# EAGLE board makey_makey_panel_v13 (EAGLE 6.5.0), part 4 of 4 (continued)
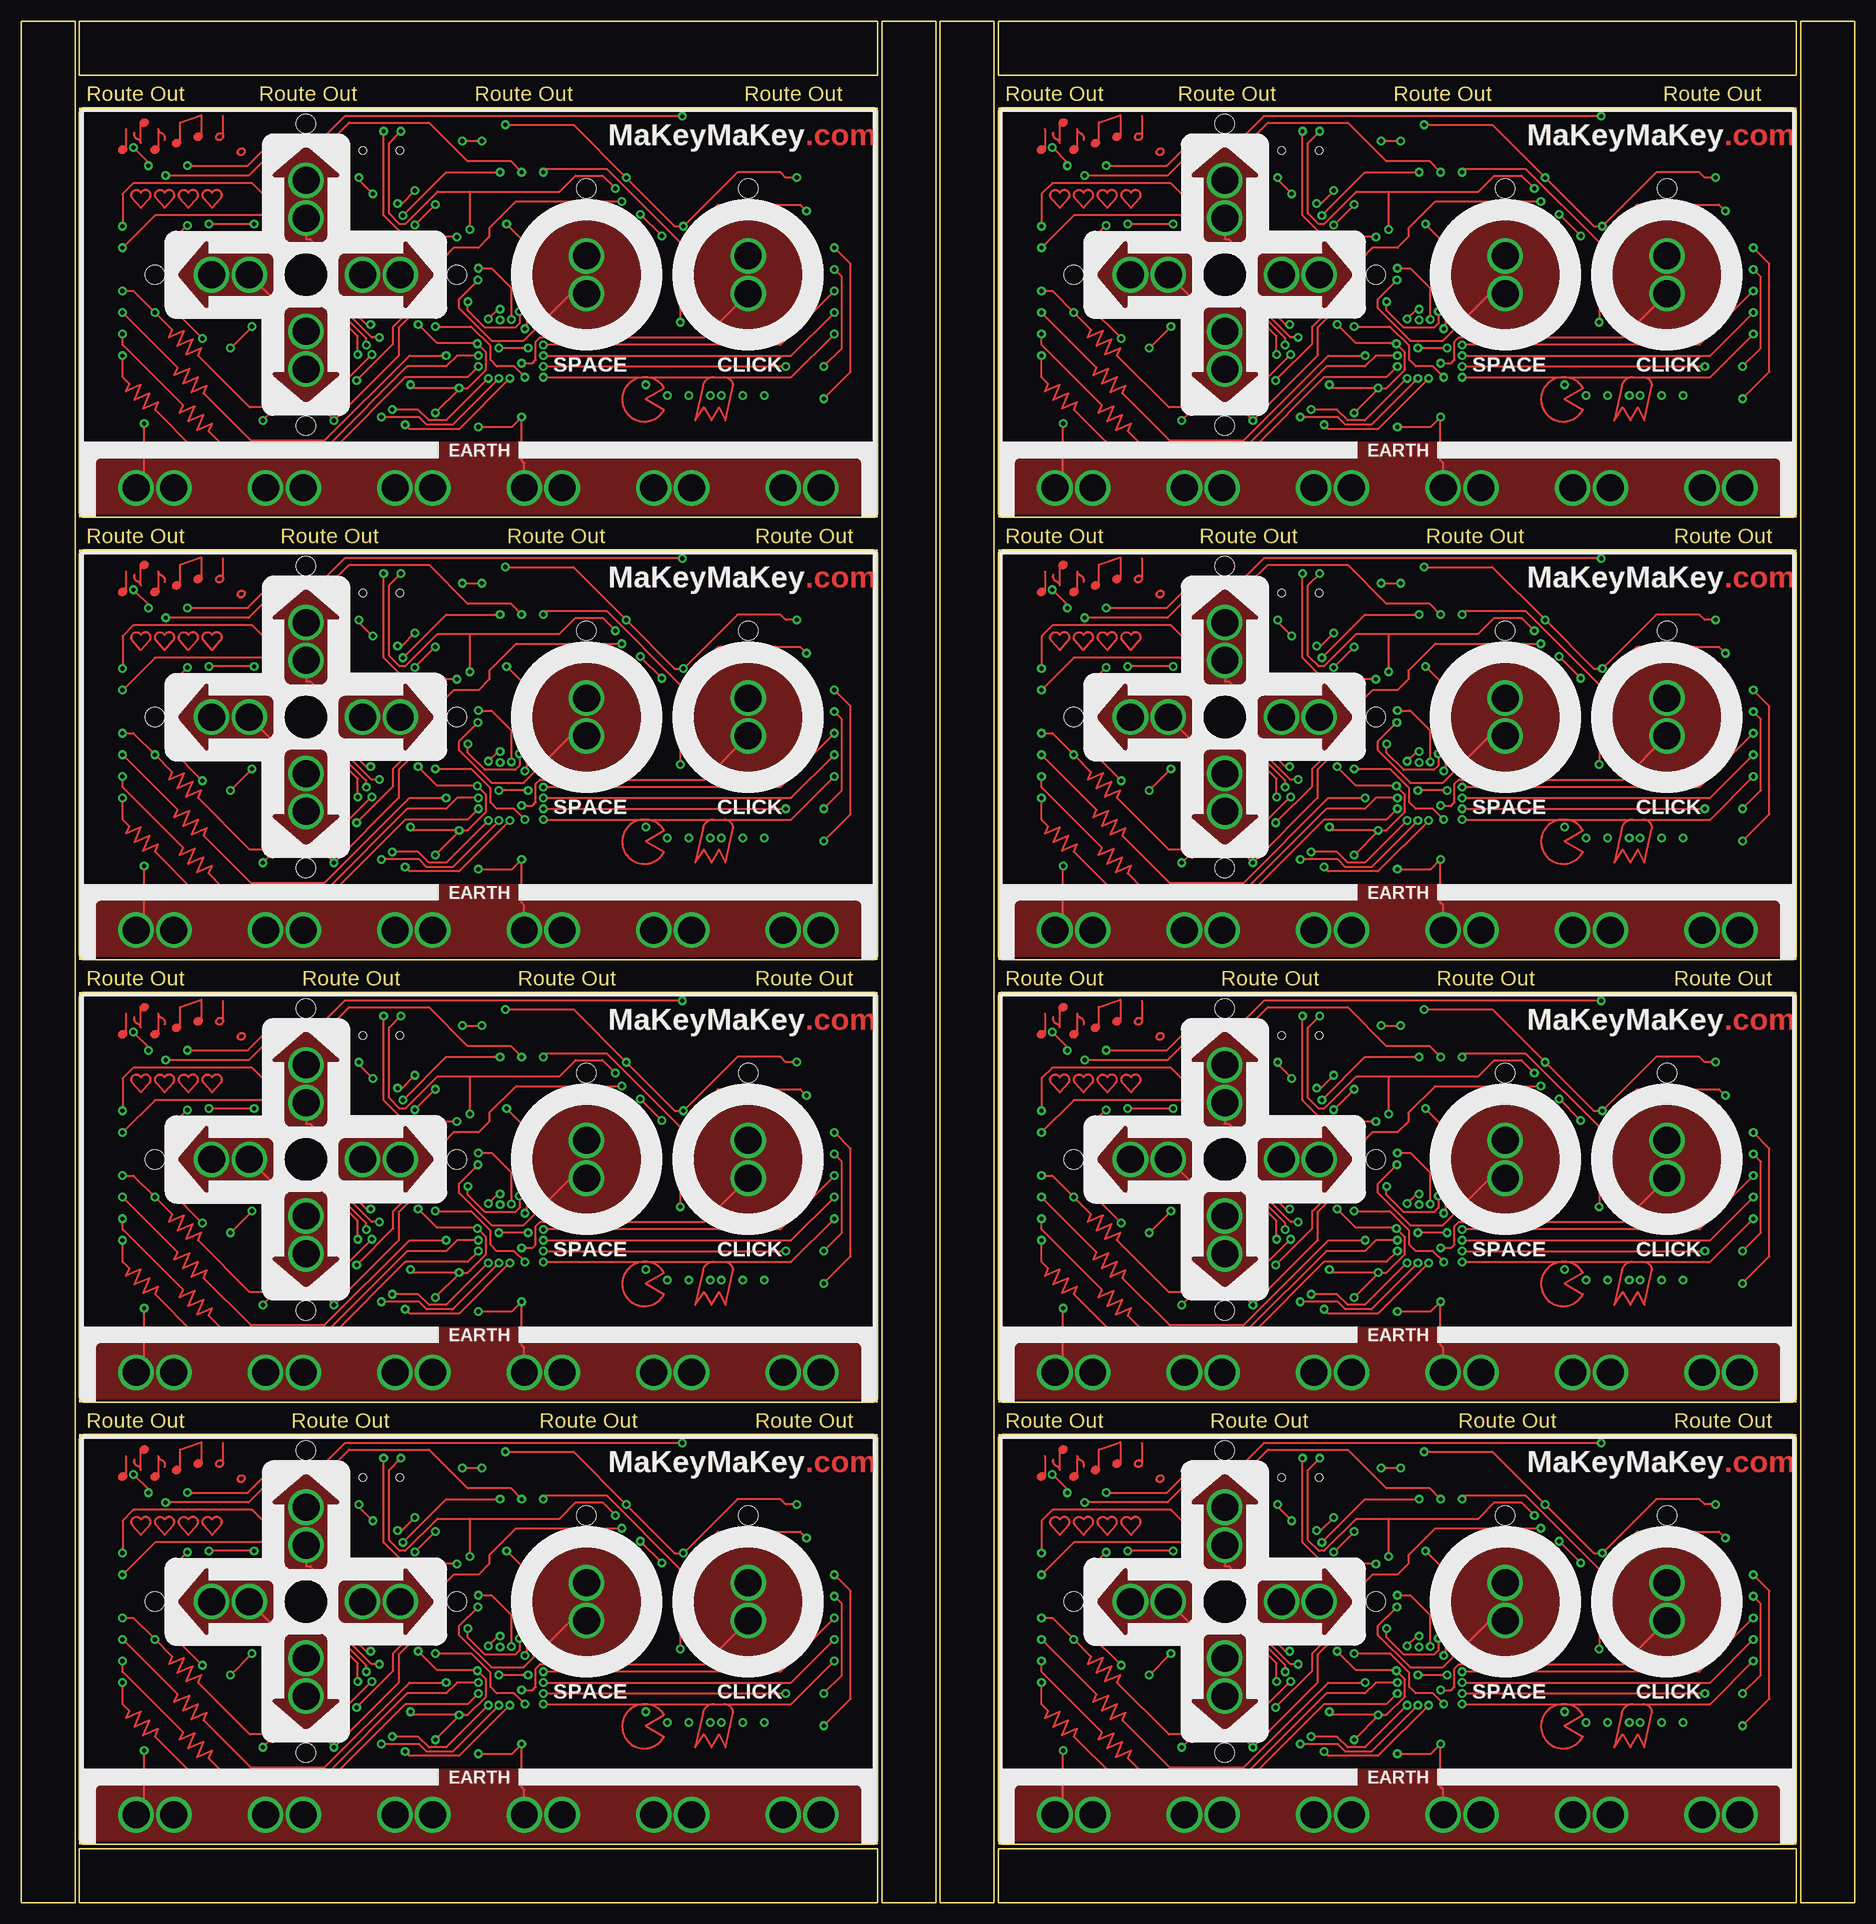
[diagram p0: board, top side]
## Tracks (layer width: path | path; a pad name or v marks a point on that pad's centre or on a via) (continued)
PULL-UP3  (via drill 0.51)
  Top 0.254: v77.85,210.31 38.1,210.31 35.58,207.79 29.99,207.79 26.68,204.49 v19.57,204.49 | v19.56,197.46 17.65,195.56 17.65,187.83 v21.34,184.15
  Bottom 0.254: R102.2 R101.2 R100.2 R99.2 R98.2 R109.2 88.56,197.78 89.41,198.63 89.41,202.44 84.33,207.52 | 84.33,207.52 81.53,210.31 v77.85,210.31 | SJ4.2 80.52,203.71 84.33,207.52 | R103.2 R104.2 19.77,184.02 | 19.77,184.02 R105.2 R106.2 | v21.34,184.15 19.9,184.15 19.77,184.02 | v19.57,204.49 19.77,204.28 R107.2 R108.2 19.77,197.68 v19.56,197.46
PULL-UP4  (via drill 0.51)
  Top 0.254: v186.06,54.1 146.3,54.1 143.78,51.58 138.19,51.58 134.89,48.27 v127.78,48.27 | v127.76,41.25 125.86,39.34 125.86,31.62 v129.54,27.94
  Bottom 0.254: R131.2 R130.2 R129.2 R128.2 R127.2 R138.2 196.76,41.57 197.61,42.42 197.61,46.23 192.53,51.31 | 192.53,51.31 189.74,54.1 v186.06,54.1 | SJ5.2 188.72,47.5 192.53,51.31 | R132.2 R133.2 127.98,27.81 | 127.98,27.81 R134.2 R135.2 | v129.54,27.94 128.1,27.94 127.98,27.81 | v127.78,48.27 127.98,48.08 R136.2 R137.2 127.98,41.47 v127.76,41.25
PULL-UP5  (via drill 0.51)
  Top 0.254: v186.06,106.17 146.3,106.17 143.78,103.65 138.19,103.65 134.89,100.34 v127.78,100.34 | v127.76,93.32 125.86,91.42 125.86,83.69 v129.54,80.01
  Bottom 0.254: R160.2 R159.2 R158.2 R157.2 R156.2 R167.2 196.76,93.64 197.61,94.49 197.61,98.3 192.53,103.38 | 192.53,103.38 189.74,106.17 v186.06,106.17 | SJ6.2 188.72,99.57 192.53,103.38 | R161.2 R162.2 127.98,79.88 | 127.98,79.88 R163.2 R164.2 | v129.54,80.01 128.1,80.01 127.98,79.88 | v127.78,100.34 127.98,100.14 R165.2 R166.2 127.98,93.53 v127.76,93.32
PULL-UP6  (via drill 0.51)
  Top 0.254: v186.06,158.24 146.3,158.24 143.78,155.72 138.19,155.72 134.89,152.41 v127.78,152.41 | v127.76,145.39 125.86,143.49 125.86,135.76 v129.54,132.08
  Bottom 0.254: R189.2 R188.2 R187.2 R186.2 R185.2 R196.2 196.76,145.71 197.61,146.56 197.61,150.37 192.53,155.45 | 192.53,155.45 189.74,158.24 v186.06,158.24 | SJ7.2 188.72,151.64 192.53,155.45 | R190.2 R191.2 127.98,131.95 | 127.98,131.95 R192.2 R193.2 | v129.54,132.08 128.1,132.08 127.98,131.95 | v127.78,152.41 127.98,152.22 R194.2 R195.2 127.98,145.6 v127.76,145.39
PULL-UP7  (via drill 0.51)
  Top 0.254: v186.06,210.31 146.3,210.31 143.78,207.79 138.19,207.79 134.89,204.49 v127.78,204.49 | v127.76,197.46 125.86,195.56 125.86,187.83 v129.54,184.15
  Bottom 0.254: R218.2 R217.2 R216.2 R215.2 R214.2 R225.2 196.76,197.78 197.61,198.63 197.61,202.44 192.53,207.52 | 192.53,207.52 189.74,210.31 v186.06,210.31 | SJ8.2 188.72,203.71 192.53,207.52 | R219.2 R220.2 127.98,184.02 | 127.98,184.02 R221.2 R222.2 | v129.54,184.15 128.1,184.15 127.98,184.02 | v127.78,204.49 127.98,204.28 R223.2 R224.2 127.98,197.68 v127.76,197.46
RESET  (via drill 0.51)
  Top 0.254: v57.15,41.4 59.56,38.99 59.56,29.34 v59.31,29.08
  Bottom 0.254: U1.13 60.6,30.38 v59.31,29.08 | v57.15,41.4 54.86,43.69 53.85,43.69 52.58,44.96 JP14.2 JP14.2-2 52.58,50.29 53,50.71 R3.1
RESET1  (via drill 0.51)
  Top 0.254: v57.15,93.47 59.56,91.06 59.56,81.41 v59.31,81.15
  Bottom 0.254: U2.13 60.6,82.45 v59.31,81.15 | v57.15,93.47 54.86,95.76 53.85,95.76 52.58,97.03 JP26.2 JP26.2-2 52.58,102.36 53,102.78 R30.1
RESET2  (via drill 0.51)
  Top 0.254: v57.15,145.54 59.56,143.13 59.56,133.48 v59.31,133.22
  Bottom 0.254: U3.13 60.6,134.52 v59.31,133.22 | v57.15,145.54 54.86,147.83 53.85,147.83 52.58,149.1 JP39.2 JP39.2-2 52.58,154.43 53,154.85 R59.1
RESET3  (via drill 0.51)
  Top 0.254: v57.15,197.61 59.56,195.2 59.56,185.55 v59.31,185.29
  Bottom 0.254: U4.13 60.6,186.59 v59.31,185.29 | v57.15,197.61 54.86,199.9 53.85,199.9 52.58,201.17 JP52.2 JP52.2-2 52.58,206.5 53,206.92 R88.1
RESET4  (via drill 0.51)
  Top 0.254: v165.35,41.4 167.77,38.99 167.77,29.34 v167.51,29.08
  Bottom 0.254: U5.13 168.81,30.38 v167.51,29.08 | v165.35,41.4 163.07,43.69 162.05,43.69 160.78,44.96 JP65.2 JP65.2-2 160.78,50.29 161.2,50.71 R117.1
RESET5  (via drill 0.51)
  Top 0.254: v165.35,93.47 167.77,91.06 167.77,81.41 v167.51,81.15
  Bottom 0.254: U6.13 168.81,82.45 v167.51,81.15 | v165.35,93.47 163.07,95.76 162.05,95.76 160.78,97.03 JP78.2 JP78.2-2 160.78,102.36 161.2,102.78 R146.1
RESET6  (via drill 0.51)
  Top 0.254: v165.35,145.54 167.77,143.13 167.77,133.48 v167.51,133.22
  Bottom 0.254: U7.13 168.81,134.52 v167.51,133.22 | v165.35,145.54 163.07,147.83 162.05,147.83 160.78,149.1 JP91.2 JP91.2-2 160.78,154.43 161.2,154.85 R175.1
RESET7  (via drill 0.51)
  Top 0.254: v165.35,197.61 167.77,195.2 167.77,185.55 v167.51,185.29
  Bottom 0.254: U8.13 168.81,186.59 v167.51,185.29 | v165.35,197.61 163.07,199.9 162.05,199.9 160.78,201.17 JP104.2 JP104.2-2 160.78,206.5 161.2,206.92 R204.1
VCC  (via drill 0.51)
  Top 0.254: v44.96,42.42 50.04,47.5 v56.39,47.5 | v91.33,46.88 90.03,46.88 89.41,47.5 84.33,47.5 v77.98,41.15 76.96,41.15 v71.25,46.86 65.02,53.09 v57.01,53.09
  Bottom 0.254: 57.66,25.91 57.66,27.18 | v56.39,30.1 58.46,32.17 U1.7 | U1.44 54.48,31.18 | 54.48,31.18 55.31,31.18 v56.39,30.1 | U1.2 54.46,31.2 54.48,31.18 | C7.A 48.64,21.97 49.19,22.52 C5.2 50.7,23.18 U1.34 53.66,23.18 56.39,25.91 57.66,25.91 | 57.66,27.18 58.67,27.18 61.07,29.58 U1.14 64.76,29.58 65.79,30.61 68.71,30.61 71.63,33.53 71.63,36.58 71.29,36.92 R28.2 70.36,38.61 72.9,41.15 v77.98,41.15 79.25,41.15 81.79,38.61 R29.2 | 57.66,25.91 59.31,25.91 60.33,24.89 60.33,22.99 60.86,22.45 | U1.24 60.86,22.45 | U1.7 58.46,33.57 | U1.7 58.46,34.33 58.93,34.8 58.93,42.42 57.66,43.69 JP14.4 57.66,47.5 | 37.34,39.24 34.8,39.24 33.53,37.97 33.53,37.34 | 37.34,39.24 39.24,39.24 | 39.24,39.24 41.78,39.24 42.66,40.12 LED7.A 44.83,42.29 v44.96,42.42 | C6.2 64.01,22.23 63.75,22.48 60.86,22.48 60.86,22.45 | 57.66,27.18 57.66,28.83 v56.39,30.1 | 57.66,47.5 JP14.4-2 57.53,49.15 | v56.39,47.5 57.66,47.5 | R3.2 56.39,53.09 | 56.39,53.09 v57.01,53.09 | v71.25,46.86 71.25,47.5 | 71.25,47.5 69.09,47.5 66.51,50.08 R16.2 | 71.25,47.5 SJ1.1 | R17.2 91.53,47.08 v91.33,46.88 | R19.2 56.43,53.05 56.39,53.09 | R25.2 R26.2 R27.2 33.53,37.34 | 33.53,37.34 R24.2 32.73,35.9 32.38,35.56 30.1,35.56 29.72,35.94 29.72,37.34 23.37,43.69 23.37,46.23 19.56,50.04 14.48,50.04 13.21,48.77 R18.2 | F1.2 37.34,39.24 | C8.2 39.24,39.24
VCC1  (via drill 0.51)
  Top 0.254: v44.96,94.49 50.04,99.57 v56.39,99.57 | v91.33,98.95 90.03,98.95 89.41,99.57 84.33,99.57 v77.98,93.22 76.96,93.22 v71.25,98.93 65.02,105.16 v57.01,105.16
  Bottom 0.254: 57.66,77.98 57.66,79.25 | v56.39,82.17 58.46,84.24 U2.7 | U2.44 54.48,83.25 | 54.48,83.25 55.31,83.25 v56.39,82.17 | U2.2 54.46,83.27 54.48,83.25 | C15.A 48.64,74.04 49.19,74.59 C14.2 50.7,75.25 U2.34 53.66,75.25 56.39,77.98 57.66,77.98 | 57.66,79.25 58.67,79.25 61.07,81.65 U2.14 64.76,81.65 65.79,82.68 68.71,82.68 71.63,85.6 71.63,88.65 71.29,88.99 R34.2 70.36,90.68 72.9,93.22 v77.98,93.22 79.25,93.22 81.79,90.68 R33.2 | 57.66,77.98 59.31,77.98 60.33,76.96 60.33,75.06 60.86,74.52 | U2.24 60.86,74.52 | U2.7 58.46,85.64 | U2.7 58.46,86.4 58.93,86.87 58.93,94.49 57.66,95.76 JP26.4 57.66,99.57 | 37.34,91.31 34.8,91.31 33.53,90.04 33.53,89.41 | 37.34,91.31 39.24,91.31 | 39.24,91.31 41.78,91.31 42.66,92.19 LED12.A 44.83,94.36 v44.96,94.49 | C13.2 64.01,74.3 63.75,74.55 60.86,74.55 60.86,74.52 | 57.66,79.25 57.66,80.9 v56.39,82.17 | 57.66,99.57 JP26.4-2 57.53,101.22 | v56.39,99.57 57.66,99.57 | R30.2 56.39,105.16 | 56.39,105.16 v57.01,105.16 | v71.25,98.93 71.25,99.57 | 71.25,99.57 69.09,99.57 66.51,102.15 R57.2 | 71.25,99.57 SJ2.1 | R55.2 91.53,99.15 v91.33,98.95 | R58.2 56.43,105.12 56.39,105.16 | R37.2 R36.2 R35.2 33.53,89.41 | 33.53,89.41 R38.2 32.73,87.97 32.38,87.63 30.1,87.63 29.72,88.01 29.72,89.41 23.37,95.76 23.37,98.3 19.56,102.11 14.48,102.11 13.21,100.84 R56.2 | F2.2 37.34,91.31 | C16.2 39.24,91.31
VCC2  (via drill 0.51)
  Top 0.254: v44.96,146.56 50.04,151.64 v56.39,151.64 | v91.33,151.02 90.03,151.02 89.41,151.64 84.33,151.64 v77.98,145.29 76.96,145.29 v71.25,151 65.02,157.23 v57.01,157.23
  Bottom 0.254: 57.66,130.05 57.66,131.32 | v56.39,134.24 58.46,136.31 U3.7 | U3.44 54.48,135.32 | 54.48,135.32 55.31,135.32 v56.39,134.24 | U3.2 54.46,135.34 54.48,135.32 | C23.A 48.64,126.11 49.19,126.66 C22.2 50.7,127.32 U3.34 53.66,127.32 56.39,130.05 57.66,130.05 | 57.66,131.32 58.67,131.32 61.07,133.72 U3.14 64.76,133.72 65.79,134.75 68.71,134.75 71.63,137.67 71.63,140.72 71.29,141.06 R63.2 70.36,142.75 72.9,145.29 v77.98,145.29 79.25,145.29 81.79,142.75 R62.2 | 57.66,130.05 59.31,130.05 60.33,129.03 60.33,127.13 60.86,126.59 | U3.24 60.86,126.59 | U3.7 58.46,137.71 | U3.7 58.46,138.47 58.93,138.94 58.93,146.56 57.66,147.83 JP39.4 57.66,151.64 | 37.34,143.38 34.8,143.38 33.53,142.11 33.53,141.48 | 37.34,143.38 39.24,143.38 | 39.24,143.38 41.78,143.38 42.66,144.26 LED23.A 44.83,146.43 v44.96,146.56 | C21.2 64.01,126.36 63.75,126.62 60.86,126.62 60.86,126.59 | 57.66,131.32 57.66,132.97 v56.39,134.24 | 57.66,151.64 JP39.4-2 57.53,153.29 | v56.39,151.64 57.66,151.64 | R59.2 56.39,157.23 | 56.39,157.23 v57.01,157.23 | v71.25,151 71.25,151.64 | 71.25,151.64 69.09,151.64 66.51,154.22 R86.2 | 71.25,151.64 SJ3.1 | R84.2 91.53,151.22 v91.33,151.02 | R87.2 56.43,157.19 56.39,157.23 | R66.2 R65.2 R64.2 33.53,141.48 | 33.53,141.48 R67.2 32.73,140.04 32.38,139.7 30.1,139.7 29.72,140.08 29.72,141.48 23.37,147.83 23.37,150.37 19.56,154.18 14.48,154.18 13.21,152.91 R85.2 | F3.2 37.34,143.38 | C24.2 39.24,143.38
VCC3  (via drill 0.51)
  Top 0.254: v44.96,198.63 50.04,203.71 v56.39,203.71 | v91.33,203.09 90.03,203.09 89.41,203.71 84.33,203.71 v77.98,197.36 76.96,197.36 v71.25,203.07 65.02,209.3 v57.01,209.3
  Bottom 0.254: 57.66,182.12 57.66,183.39 | v56.39,186.31 58.46,188.38 U4.7 | U4.44 54.48,187.39 | 54.48,187.39 55.31,187.39 v56.39,186.31 | U4.2 54.46,187.41 54.48,187.39 | C31.A 48.64,178.18 49.19,178.73 C30.2 50.7,179.39 U4.34 53.66,179.39 56.39,182.12 57.66,182.12 | 57.66,183.39 58.67,183.39 61.07,185.79 U4.14 64.76,185.79 65.79,186.82 68.71,186.82 71.63,189.74 71.63,192.79 71.29,193.13 R92.2 70.36,194.82 72.9,197.36 v77.98,197.36 79.25,197.36 81.79,194.82 R91.2 | 57.66,182.12 59.31,182.12 60.33,181.1 60.33,179.2 60.86,178.66 | U4.24 60.86,178.66 | U4.7 58.46,189.78 | U4.7 58.46,190.54 58.93,191.01 58.93,198.63 57.66,199.9 JP52.4 57.66,203.71 | 37.34,195.45 34.8,195.45 33.53,194.18 33.53,193.55 | 37.34,195.45 39.24,195.45 | 39.24,195.45 41.78,195.45 42.66,196.33 LED34.A 44.83,198.5 v44.96,198.63 | C29.2 64.01,178.44 63.75,178.69 60.86,178.69 60.86,178.66 | 57.66,183.39 57.66,185.04 v56.39,186.31 | 57.66,203.71 JP52.4-2 57.53,205.36 | v56.39,203.71 57.66,203.71 | R88.2 56.39,209.3 | 56.39,209.3 v57.01,209.3 | v71.25,203.07 71.25,203.71 | 71.25,203.71 69.09,203.71 66.51,206.29 R115.2 | 71.25,203.71 SJ4.1 | R113.2 91.53,203.29 v91.33,203.09 | R116.2 56.43,209.26 56.39,209.3 | R95.2 R94.2 R93.2 33.53,193.55 | 33.53,193.55 R96.2 32.73,192.11 32.38,191.77 30.1,191.77 29.72,192.15 29.72,193.55 23.37,199.9 23.37,202.44 19.56,206.25 14.48,206.25 13.21,204.98 R114.2 | F4.2 37.34,195.45 | C32.2 39.24,195.45
VCC4  (via drill 0.51)
  Top 0.254: v153.16,42.42 158.24,47.5 v164.59,47.5 | v199.53,46.88 198.23,46.88 197.61,47.5 192.53,47.5 v186.18,41.15 185.17,41.15 v179.45,46.86 173.23,53.09 v165.21,53.09
  Bottom 0.254: 165.86,25.91 165.86,27.18 | v164.59,30.1 166.66,32.17 U5.7 | U5.44 162.69,31.18 | 162.69,31.18 163.51,31.18 v164.59,30.1 | U5.2 162.66,31.2 162.69,31.18 | C39.A 156.84,21.97 157.39,22.52 C38.2 158.9,23.18 U5.34 161.86,23.18 164.59,25.91 165.86,25.91 | 165.86,27.18 166.88,27.18 169.28,29.58 U5.14 172.96,29.58 173.99,30.61 176.91,30.61 179.83,33.53 179.83,36.58 179.49,36.92 R121.2 178.56,38.61 181.1,41.15 v186.18,41.15 187.45,41.15 189.99,38.61 R120.2 | 165.86,25.91 167.51,25.91 168.53,24.89 168.53,22.99 169.06,22.45 | U5.24 169.06,22.45 | U5.7 166.66,33.57 | U5.7 166.66,34.33 167.13,34.8 167.13,42.42 165.86,43.69 JP65.4 165.86,47.5 | 145.54,39.24 143,39.24 141.73,37.97 141.73,37.34 | 145.54,39.24 147.45,39.24 | 147.45,39.24 149.99,39.24 150.86,40.12 LED45.A 153.03,42.29 v153.16,42.42 | C37.2 172.21,22.23 171.96,22.48 169.06,22.48 169.06,22.45 | 165.86,27.18 165.86,28.83 v164.59,30.1 | 165.86,47.5 JP65.4-2 165.74,49.15 | v164.59,47.5 165.86,47.5 | R117.2 164.59,53.09 | 164.59,53.09 v165.21,53.09 | v179.45,46.86 179.45,47.5 | 179.45,47.5 177.29,47.5 174.71,50.08 R144.2 | 179.45,47.5 SJ5.1 | R142.2 199.73,47.08 v199.53,46.88 | R145.2 164.63,53.05 164.59,53.09 | R124.2 R123.2 R122.2 141.73,37.34 | 141.73,37.34 R125.2 140.93,35.9 140.59,35.56 138.3,35.56 137.92,35.94 137.92,37.34 131.57,43.69 131.57,46.23 127.76,50.04 122.68,50.04 121.41,48.77 R143.2 | F5.2 145.54,39.24 | C40.2 147.45,39.24
VCC5  (via drill 0.51)
  Top 0.254: v153.16,94.49 158.24,99.57 v164.59,99.57 | v199.53,98.95 198.23,98.95 197.61,99.57 192.53,99.57 v186.18,93.22 185.17,93.22 v179.45,98.93 173.23,105.16 v165.21,105.16
  Bottom 0.254: 165.86,77.98 165.86,79.25 | v164.59,82.17 166.66,84.24 U6.7 | U6.44 162.69,83.25 | 162.69,83.25 163.51,83.25 v164.59,82.17 | U6.2 162.66,83.27 162.69,83.25 | C47.A 156.84,74.04 157.39,74.59 C46.2 158.9,75.25 U6.34 161.86,75.25 164.59,77.98 165.86,77.98 | 165.86,79.25 166.88,79.25 169.28,81.65 U6.14 172.96,81.65 173.99,82.68 176.91,82.68 179.83,85.6 179.83,88.65 179.49,88.99 R150.2 178.56,90.68 181.1,93.22 v186.18,93.22 187.45,93.22 189.99,90.68 R149.2 | 165.86,77.98 167.51,77.98 168.53,76.96 168.53,75.06 169.06,74.52 | U6.24 169.06,74.52 | U6.7 166.66,85.64 | U6.7 166.66,86.4 167.13,86.87 167.13,94.49 165.86,95.76 JP78.4 165.86,99.57 | 145.54,91.31 143,91.31 141.73,90.04 141.73,89.41 | 145.54,91.31 147.45,91.31 | 147.45,91.31 149.99,91.31 150.86,92.19 LED56.A 153.03,94.36 v153.16,94.49 | C45.2 172.21,74.3 171.96,74.55 169.06,74.55 169.06,74.52 | 165.86,79.25 165.86,80.9 v164.59,82.17 | 165.86,99.57 JP78.4-2 165.74,101.22 | v164.59,99.57 165.86,99.57 | R146.2 164.59,105.16 | 164.59,105.16 v165.21,105.16 | v179.45,98.93 179.45,99.57 | 179.45,99.57 177.29,99.57 174.71,102.15 R173.2 | 179.45,99.57 SJ6.1 | R171.2 199.73,99.15 v199.53,98.95 | R174.2 164.63,105.12 164.59,105.16 | R153.2 R152.2 R151.2 141.73,89.41 | 141.73,89.41 R154.2 140.93,87.97 140.59,87.63 138.3,87.63 137.92,88.01 137.92,89.41 131.57,95.76 131.57,98.3 127.76,102.11 122.68,102.11 121.41,100.84 R172.2 | F6.2 145.54,91.31 | C48.2 147.45,91.31
VCC6  (via drill 0.51)
  Top 0.254: v153.16,146.56 158.24,151.64 v164.59,151.64 | v199.53,151.02 198.23,151.02 197.61,151.64 192.53,151.64 v186.18,145.29 185.17,145.29 v179.45,151 173.23,157.23 v165.21,157.23
  Bottom 0.254: 165.86,130.05 165.86,131.32 | v164.59,134.24 166.66,136.31 U7.7 | U7.44 162.69,135.32 | 162.69,135.32 163.51,135.32 v164.59,134.24 | U7.2 162.66,135.34 162.69,135.32 | C55.A 156.84,126.11 157.39,126.66 C54.2 158.9,127.32 U7.34 161.86,127.32 164.59,130.05 165.86,130.05 | 165.86,131.32 166.88,131.32 169.28,133.72 U7.14 172.96,133.72 173.99,134.75 176.91,134.75 179.83,137.67 179.83,140.72 179.49,141.06 R179.2 178.56,142.75 181.1,145.29 v186.18,145.29 187.45,145.29 189.99,142.75 R178.2 | 165.86,130.05 167.51,130.05 168.53,129.03 168.53,127.13 169.06,126.59 | U7.24 169.06,126.59 | U7.7 166.66,137.71 | U7.7 166.66,138.47 167.13,138.94 167.13,146.56 165.86,147.83 JP91.4 165.86,151.64 | 145.54,143.38 143,143.38 141.73,142.11 141.73,141.48 | 145.54,143.38 147.45,143.38 | 147.45,143.38 149.99,143.38 150.86,144.26 LED67.A 153.03,146.43 v153.16,146.56 | C53.2 172.21,126.36 171.96,126.62 169.06,126.62 169.06,126.59 | 165.86,131.32 165.86,132.97 v164.59,134.24 | 165.86,151.64 JP91.4-2 165.74,153.29 | v164.59,151.64 165.86,151.64 | R175.2 164.59,157.23 | 164.59,157.23 v165.21,157.23 | v179.45,151 179.45,151.64 | 179.45,151.64 177.29,151.64 174.71,154.22 R202.2 | 179.45,151.64 SJ7.1 | R200.2 199.73,151.22 v199.53,151.02 | R203.2 164.63,157.19 164.59,157.23 | R182.2 R181.2 R180.2 141.73,141.48 | 141.73,141.48 R183.2 140.93,140.04 140.59,139.7 138.3,139.7 137.92,140.08 137.92,141.48 131.57,147.83 131.57,150.37 127.76,154.18 122.68,154.18 121.41,152.91 R201.2 | F7.2 145.54,143.38 | C56.2 147.45,143.38
VCC7  (via drill 0.51)
  Top 0.254: v153.16,198.63 158.24,203.71 v164.59,203.71 | v199.53,203.09 198.23,203.09 197.61,203.71 192.53,203.71 v186.18,197.36 185.17,197.36 v179.45,203.07 173.23,209.3 v165.21,209.3
  Bottom 0.254: 165.86,182.12 165.86,183.39 | v164.59,186.31 166.66,188.38 U8.7 | U8.44 162.69,187.39 | 162.69,187.39 163.51,187.39 v164.59,186.31 | U8.2 162.66,187.41 162.69,187.39 | C63.A 156.84,178.18 157.39,178.73 C62.2 158.9,179.39 U8.34 161.86,179.39 164.59,182.12 165.86,182.12 | 165.86,183.39 166.88,183.39 169.28,185.79 U8.14 172.96,185.79 173.99,186.82 176.91,186.82 179.83,189.74 179.83,192.79 179.49,193.13 R208.2 178.56,194.82 181.1,197.36 v186.18,197.36 187.45,197.36 189.99,194.82 R207.2 | 165.86,182.12 167.51,182.12 168.53,181.1 168.53,179.2 169.06,178.66 | U8.24 169.06,178.66 | U8.7 166.66,189.78 | U8.7 166.66,190.54 167.13,191.01 167.13,198.63 165.86,199.9 JP104.4 165.86,203.71 | 145.54,195.45 143,195.45 141.73,194.18 141.73,193.55 | 145.54,195.45 147.45,195.45 | 147.45,195.45 149.99,195.45 150.86,196.33 LED78.A 153.03,198.5 v153.16,198.63 | C61.2 172.21,178.44 171.96,178.69 169.06,178.69 169.06,178.66 | 165.86,183.39 165.86,185.04 v164.59,186.31 | 165.86,203.71 JP104.4-2 165.74,205.36 | v164.59,203.71 165.86,203.71 | R204.2 164.59,209.3 | 164.59,209.3 v165.21,209.3 | v179.45,203.07 179.45,203.71 | 179.45,203.71 177.29,203.71 174.71,206.29 R231.2 | 179.45,203.71 SJ8.1 | R229.2 199.73,203.29 v199.53,203.09 | R232.2 164.63,209.26 164.59,209.3 | R211.2 R210.2 R209.2 141.73,193.55 | 141.73,193.55 R212.2 140.93,192.11 140.59,191.77 138.3,191.77 137.92,192.15 137.92,193.55 131.57,199.9 131.57,202.44 127.76,206.25 122.68,206.25 121.41,204.98 R230.2 | F8.2 145.54,195.45 | C64.2 147.45,195.45

## Text on the board
Top: .com | .com | .com | .com | .com | .com | .com | .com
Bottom: a construction kit | The world is | a construction kit | The world is | a construction kit | The world is | a construction kit | The world is | The world is | The world is | a construction kit | a construction kit | The world is | The world is | a construction kit | a construction kit
Dimension: Route Out | Route Out | Route Out | Route Out | Route Out | Route Out | Route Out | Route Out | Route Out | Route Out | Route Out | Route Out | Route Out | Route Out | Route Out | Route Out | Route Out | Route Out | Route Out | Route Out | Route Out | Route Out | Route Out | Route Out | Route Out | Route Out | Route Out | Route Out | Route Out | Route Out | Route Out | Route Out
tPlace: MaKeyMaKey | MaKeyMaKey | SPACE | CLICK | SPACE | CLICK | EARTH | EARTH | MaKeyMaKey | MaKeyMaKey | SPACE | CLICK | SPACE | CLICK | EARTH | EARTH | MaKeyMaKey | MaKeyMaKey | SPACE | CLICK | SPACE | CLICK | EARTH | EARTH | MaKeyMaKey | MaKeyMaKey | SPACE | CLICK | SPACE | CLICK | EARTH | EARTH
bPlace: BE STOKED | BE STOKED | Open Source | Open Source | Hardware | Hardware | PULL-UPS | PULL-UPS | D15 | RST | GND | 5V | D16 | D14 | D15 | RST | GND | 5V | D16 | D14 | POWER | SPACE | CLICK | POWER | SPACE | CLICK | A5 | D5 | A5 | D5 | A4 | D4 | A4 | D4 | ARROWS | ARROWS | A3 | D3 | A3 | D3 | A2 | D2 | A2 | D2 | A1 | D1 | A1 | D1 | A0 | D0 | A0 | D0 | Created by Jay Silver and Eric Rosenbaum | Created by Jay Silver and Eric Rosenbaum | BE STOKED | BE STOKED | Open Source | Open Source | Hardware | Hardware | PULL-UPS | PULL-UPS | D15 | RST | GND | 5V | D16 | D14 | D15 | RST | GND | 5V | D16 | D14 | POWER | SPACE | CLICK | POWER | SPACE | CLICK | A5 | D5 | A5 | D5 | A4 | D4 | A4 | D4 | ARROWS | ARROWS | A3 | D3 | A3 | D3 | A2 | D2 | A2 | D2 | A1 | D1 | A1 | D1 | A0 | D0 | A0 | D0 | Created by Jay Silver and Eric Rosenbaum | Created by Jay Silver and Eric Rosenbaum | BE STOKED | BE STOKED | Open Source | Open Source | Hardware | Hardware | PULL-UPS | PULL-UPS | D15 | RST | GND | 5V | D16 | D14 | D15 | RST | GND | 5V | D16 | D14 | POWER | SPACE | CLICK | POWER | SPACE | CLICK | A5 | D5 | A5 | D5 | A4 | D4 | A4 | D4 | ARROWS | ARROWS | A3 | D3 | A3 | D3 | A2 | D2 | A2 | D2 | A1 | D1 | A1 | D1 | A0 | D0 | A0 | D0 | Created by Jay Silver and Eric Rosenbaum | Created by Jay Silver and Eric Rosenbaum | BE STOKED | BE STOKED | Open Source | Open Source | Hardware | Hardware | PULL-UPS | PULL-UPS | D15 | RST | GND | 5V | D16 | D14 | D15 | RST | GND | 5V | D16 | D14 | POWER | SPACE | CLICK | POWER | SPACE | CLICK | A5 | D5 | A5 | D5 | A4 | D4 | A4 | D4 | A3 | ARROWS | D3 | A3 | ARROWS | D3 | A2 | D2 | A2 | D2 | A1 | D1 | A1 | D1 | A0 | D0 | A0 | D0 | Created by Jay Silver and Eric Rosenbaum | Created by Jay Silver and Eric Rosenbaum
tStop: .com | .com | .com | .com | .com | .com | .com | .com
tRestrict: EARTH | EARTH | EARTH | EARTH | EARTH | EARTH | EARTH | EARTH
bRestrict: OUTPUT | OUTPUT | OUTPUT | OUTPUT | OUTPUT | OUTPUT | OUTPUT | OUTPUT